# Altium PCB master.PcbDoc (part 5 of 10)
Units mm, origin at the board's own origin, x right, y up, seen from the top; angles counter-clockwise.
Board outline 160 x 120 mm, 6 copper layers (Top Signal, Top GND, Inner PWR, Inner Signal, Bottom GND, Bottom Signal), stack 1.601 mm thick; 526 components, 435 nets, 2167 pads, 1617 vias.
Unrouted connection lines stored in the file: 3.
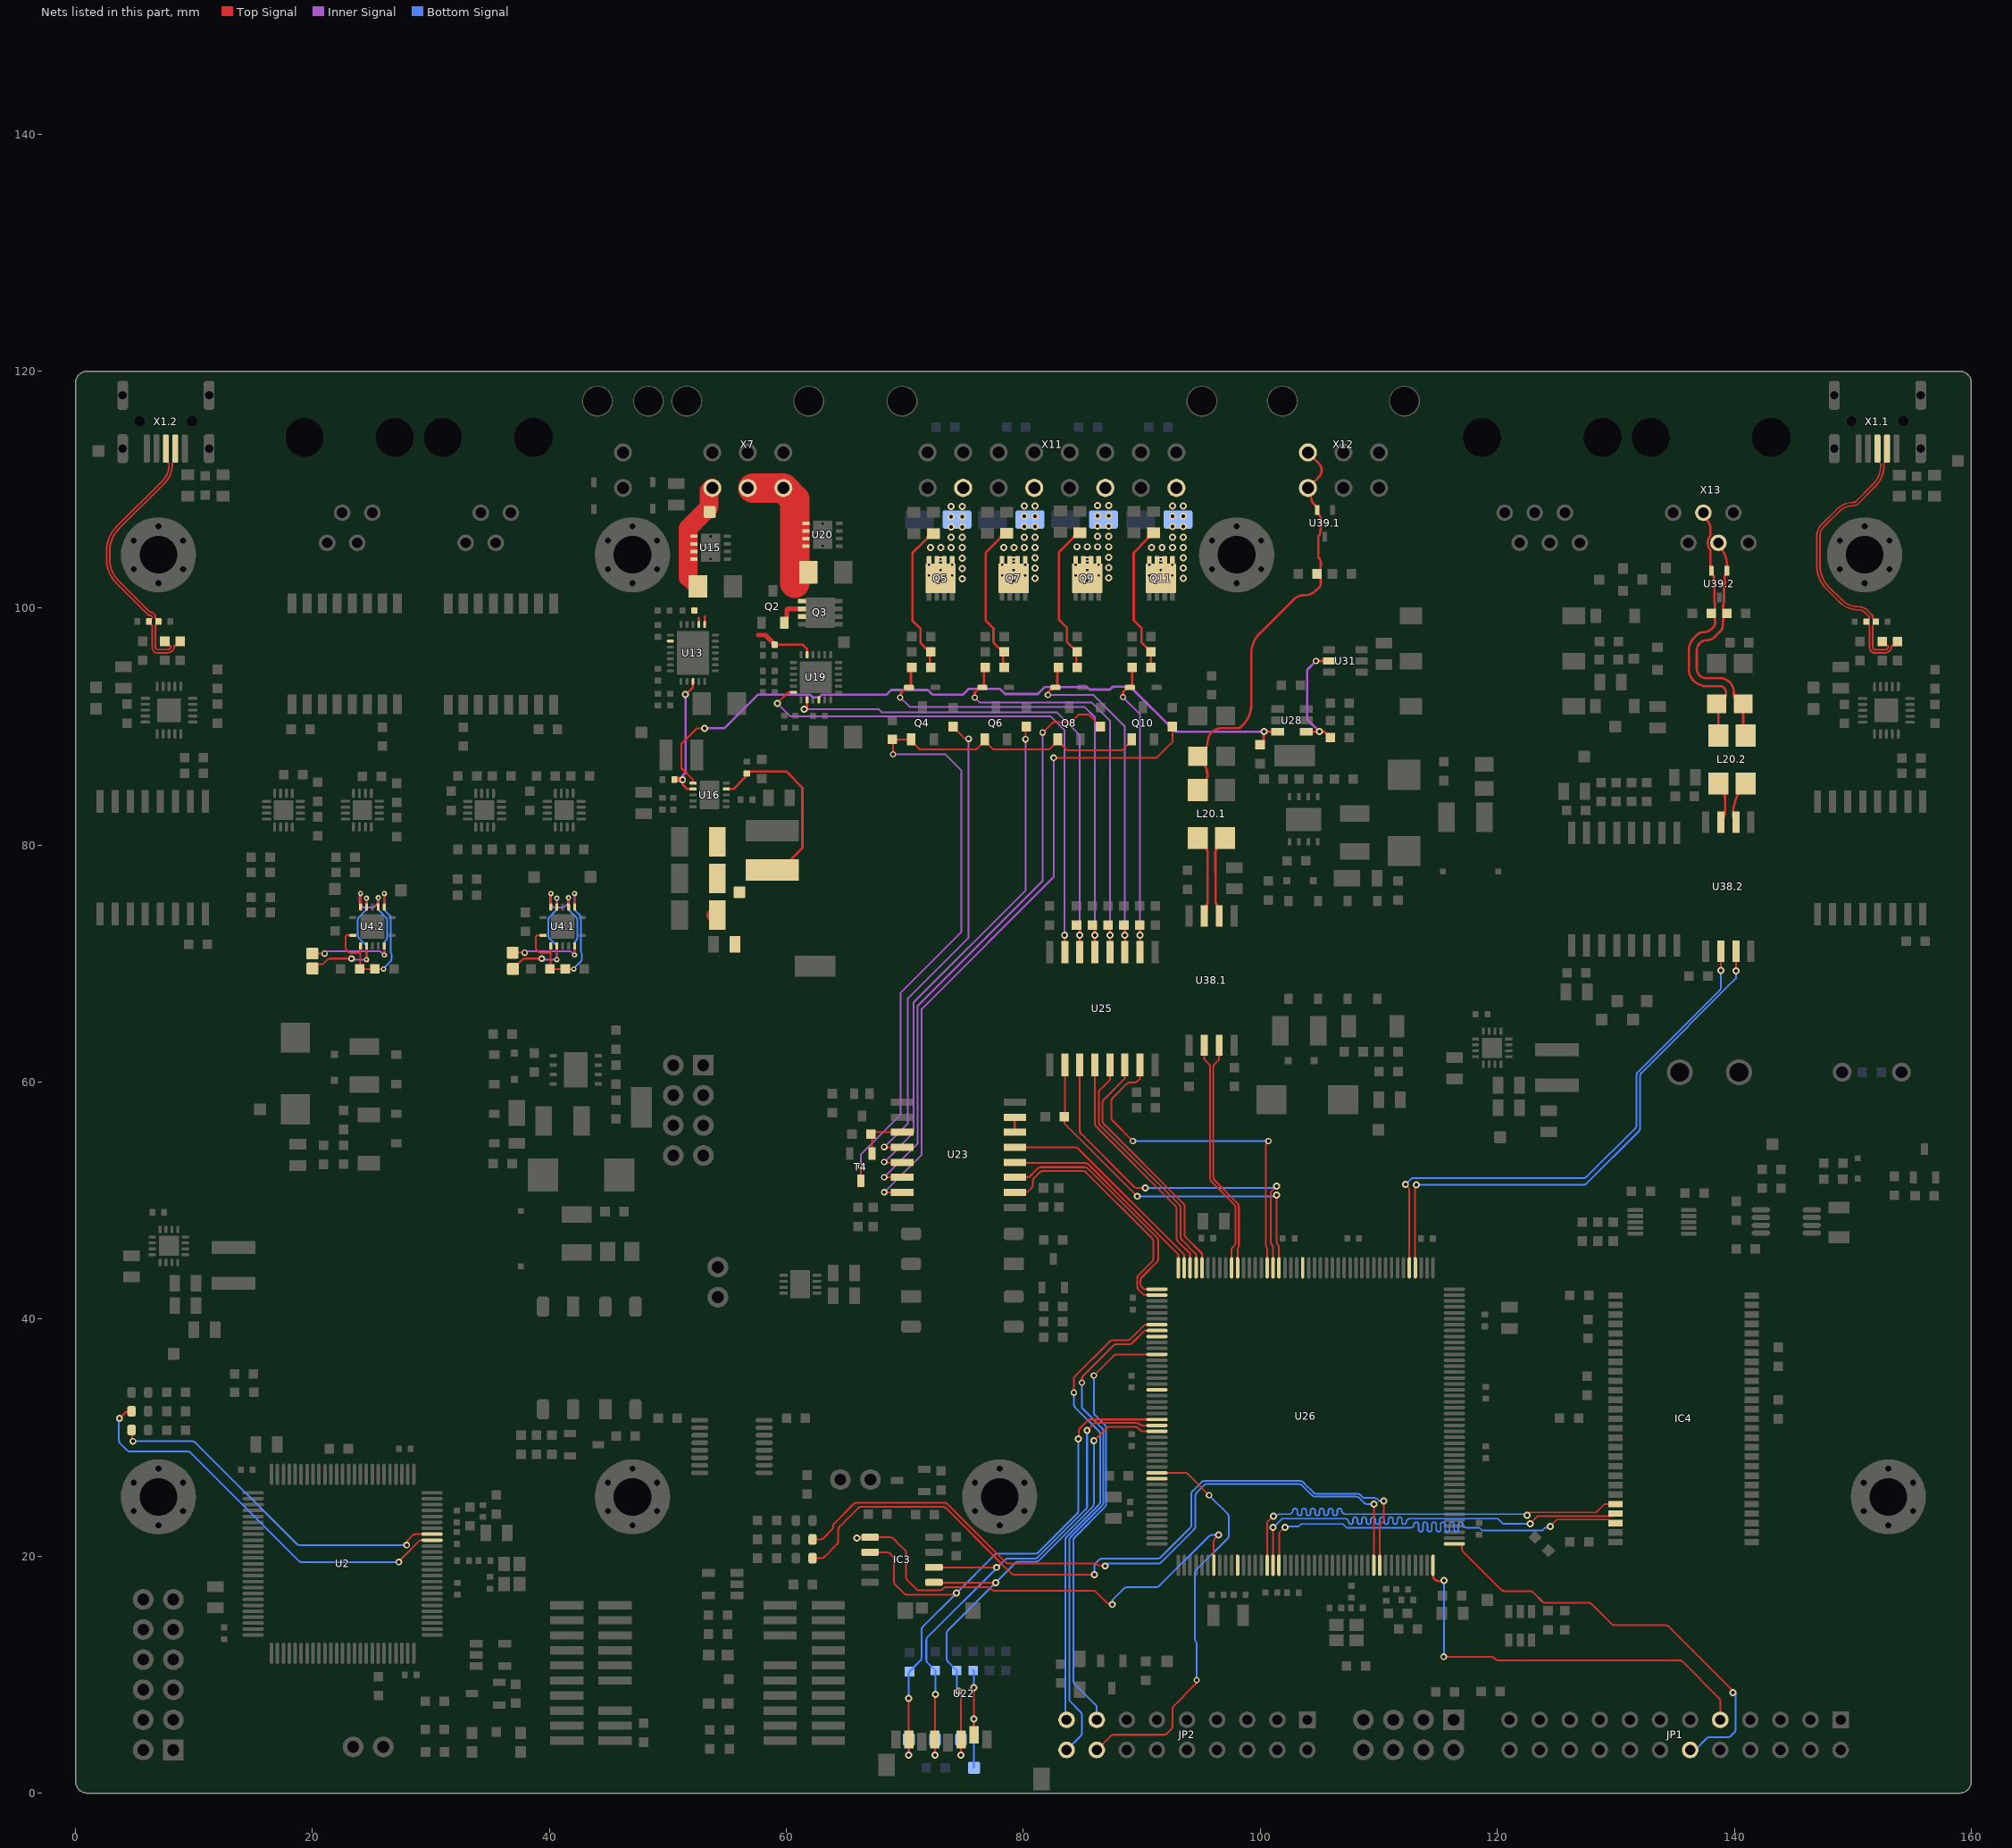
[diagram p9: the nets of this part, all layers, seen from the top]

## Via types
v1: diameter 0.6, hole 0.3, Top Signal to Bottom Signal, 1012 vias
v2: diameter 0.55, hole 0.3, Top Signal to Bottom Signal, 235 vias
v3: diameter 0.45, hole 0.2, Top Signal to Bottom Signal, 178 vias
v4: diameter 0.55, hole 0.3, Top Signal to Bottom Signal, tented both sides, 112 vias
v5: diameter 0.5, hole 0.2, Top Signal to Bottom Signal, 50 vias
v6: diameter 0.45, hole 0.2, Top Signal to Bottom Signal, tented top, 15 vias
v7: diameter 0.5, hole 0.3, Top Signal to Bottom Signal, tented both sides, 12 vias
v8: diameter 0.6, hole 0.3, Top Signal to Bottom Signal, tented both sides, 2 vias
v9: diameter 0.5, hole 0.3, Top Signal to Bottom Signal, 1 vias

## Nets (pads, with @x,y where several pads share a name; then routed paths per layer and width w, separated by ;. In a path a pad name is that pad's centre, name@x,y a point inside that pad or via, vN(x,y) a via of type N, cw(c..) or ccw(c..) an arc to the next point about the centre after c; other vN are vias at no path point) (continued)
CAN_0_P: C160.1.1 L20.1.3 R124.1.2 U39.1.2 X12.1 X12.4 | length 36.2
  Top Signal w0.2: L20.1.3@94.725,84.65 95.368,85.293 ccw(c95.109,85.552) 95.475,85.552 95.475,85.657 cw(c95.585,85.657) 95.507,85.736 ccw(c95.429,85.814) 95.54,85.814 ccw(c93.46,85.814) 94.93,87.285 R124.1.2@94.718,87.497 95.259,88.038 ccw(c94.538,88.759) 95.558,88.759 cw(c96.578,88.759) 95.857,89.481 95.902,89.526 cw(c96.727,88.7) 96.727,89.867 98.149,89.867 ccw(c98.149,90.123) 98.329,89.942 98.492,90.105 ccw(c96.696,91.901) 99.236,91.901 99.236,96.152 cw(c101.698,96.152) 99.957,97.893 102.749,100.685 cw(c103.727,99.707) 103.727,101.09 103.739,101.09 ccw(c103.739,102.444) 104.696,101.486 104.946,101.736 ccw(c104.593,102.09) 105.093,102.09 105.093,102.297 cw(c105.121,102.325) 105.081,102.325 ccw(c104.441,102.325) 104.894,102.777 C160.1.1@104.781,102.89 104.982,103.091 104.99,103.099 ccw(c104.846,103.238) 105.034,103.171 105.053,103.224 ccw(c104.581,103.39) 105.081,103.39 cw(c105.581,103.388) 105.083,103.426 105.091,103.539 ccw(c104.593,103.578) 105.093,103.578 105.093,103.869 ccw(c104.593,103.869) 105.014,104.139 104.996,104.167 ccw(c104.827,104.059) 104.961,104.208 cw(c105.115,104.375) 104.888,104.375 104.888,105.975 cw(c105.115,105.975) 104.934,106.112 104.992,106.188 ccw(c104.832,106.309) 105.032,106.309 105.032,106.435 cw(c105.259,106.435) 105.057,106.538 ccw(c104.609,106.761) 105.109,106.763 105.109,107.513 ccw(c104.572,107.513) 104.952,107.893 cw(c105.332,108.273) 104.795,108.273 U39.1.2@104.795,108.275 ccw(c104.252,108.275) 104.636,108.659 104.566,108.729 cw(c105.296,109.459) 104.264,109.459 104.264,109.528 ccw(c103.399,109.528) X12.4@104.01,110.14 104.938,111.068 ccw(c104.365,111.64) 105.175,111.64 ccw(c104.365,111.64) 104.938,112.212 X12.1@104.01,113.14
CAN_0_RX: U26.122 U38.1.3 | length 19.8
  Top Signal w0.152: U38.1.3@96.524,63.115 96.524,61.905 96.143,61.524 ccw(c96.412,61.255) 96.032,61.255 96.032,51.983 ccw(c96.412,51.983) 96.143,51.714 98.072,49.785 cw(c97.803,49.516) 98.183,49.516 98.183,46.26 cw(c97.803,46.258) 98.157,46.12 98.099,45.972 ccw(c98.453,45.833) 98.072,45.833 U26.122@98.072,44.334
CAN_0_TRANS_STANDBY_CONTROL: U26.141
CAN_0_TX: U26.123 U38.1.2 | length 19.9
  Top Signal w0.152: U38.1.2@95.254,63.115 95.254,61.94 95.648,61.546 cw(c95.381,61.274) 95.762,61.274 95.762,51.871 ccw(c96.143,51.871) 95.873,51.602 97.799,49.675 cw(c97.532,49.404) 97.913,49.404 97.913,46.471 cw(c97.532,46.471) 97.801,46.201 97.684,46.084 ccw(c97.954,45.815) 97.573,45.815 U26.123@97.573,44.334
CAN_1_N: C163.2.1 L20.2.2 R125.2.1 U39.2.1 X13.3 | length 20.8
  Top Signal w0.2: X13.3@138.659,105.512 ccw(c139.159,105.508) 138.77,105.194 ccw(c139.457,105.751) 138.787,105.173 cw(c136.954,103.591) 139.375,103.587 139.375,103.581 U39.2.1@139.375,103.15 139.375,103.148 cw(c138.838,103.148) 139.218,102.768 ccw(c139.669,102.552) 139.198,102.385 cw(c138.725,102.217) 139.155,101.957 ccw(c139.325,101.852) 139.125,101.852 139.125,100.525 cw(c138.875,100.525) 139.097,100.411 ccw(c139.542,100.182) 139.042,100.182 139.042,100.158 ccw(c139.079,100.158) 139.053,100.132 cw(c139.027,100.106) 139.063,100.106 139.063,99.986 ccw(c139.391,99.986) C163.2.1@139.159,99.754 ; C163.2.1@139.159,99.754 C163.2.1@139.363,99.55 139.245,99.431 ccw(c139.682,98.994) 139.063,98.994 cw(c139.027,98.994) 139.053,98.968 ccw(c139.079,98.942) 139.042,98.942 139.042,98.611 cw(c138.207,98.611) 138.797,98.02 138.342,97.565 cw(c137.717,98.19) 137.717,97.307 ccw(c137.717,96.423) 137.093,97.048 137.091,97.047 ccw(c137.719,96.419) 136.831,96.419 136.831,94.892 ccw(c137.635,94.892) 137.635,94.088 138.781,94.088 cw(c138.781,92.909) 139.961,92.909 139.961,92.714 ccw(c140.748,92.714) R125.2.1@140.748,91.927 140.748,89.452 ccw(c140.95,89.452) L20.2.2@140.95,89.25
CAN_1_P: C160.2.1 L20.2.3 R124.2.2 U39.2.2 X13.4 | length 23.4
  Top Signal w0.2: X13.4@137.389,108.052 ccw(c138.173,108.052) 137.618,107.498 137.688,107.427 cw(c136.965,106.704) 137.988,106.704 137.988,106.281 cw(c137.488,106.28) 137.906,106.005 ccw(c138.659,105.512) 137.906,105.018 cw(c137.488,104.744) 137.988,104.742 137.988,103.36 ccw(c138.285,103.36) U39.2.2@138.075,103.15 138.075,103.148 ccw(c138.612,103.148) 138.232,102.768 138.233,102.766 cw(c137.781,102.552) 138.253,102.386 ccw(c138.725,102.217) 138.295,101.957 cw(c138.125,101.852) 138.325,101.852 138.325,100.525 ccw(c138.575,100.525) 138.34,100.44 cw(c137.871,100.265) 138.371,100.265 138.371,100.256 cw(c137.871,100.256) 138.359,100.145 138.35,100.106 138.35,99.986 cw(c138.022,99.986) 138.254,99.754 C160.2.1@138.05,99.55 138.169,99.431 cw(c137.731,98.994) 138.35,98.994 ccw(c138.387,98.994) 138.361,98.968 cw(c138.335,98.942) 138.371,98.942 138.371,98.75 cw(c137.871,98.75) 138.225,98.396 138.065,98.236 cw(c137.44,98.861) 137.44,97.977 ccw(c137.44,97.094) 136.815,97.718 136.616,97.519 ccw(c137.715,96.421) 136.161,96.421 136.161,94.892 ccw(c137.635,94.892) 137.635,93.418 138.781,93.418 cw(c138.781,92.909) 139.291,92.909 139.291,92.714 cw(c138.503,92.714) R124.2.2@138.503,91.927 cw(c138.503,91.78) 138.65,91.78 L20.2.3@138.65,89.25
CAN_1_RX: U26.92 U38.2.3 | length 46.2
  Top Signal w0.152: U26.92@113.073,44.334 cw(c113.431,44.459) 113.051,44.459 113.051,51.087 cw(c113.431,51.087) 113.148,51.34 v1@113.151,51.344 ; v1(140.137,69.386) U38.2.3@140.137,71.033
  Bottom Signal w0.152: v1(113.152,51.345) 127.269,51.345 ccw(c127.269,51.725) 127.538,51.456 131.939,55.857 ccw(c131.67,56.126) 132.05,56.126 132.05,60.521 cw(c132.43,60.521) 132.161,60.79 140.137,68.765 v1@140.137,69.405
CAN_1_TRANS_STANDBY_CONTROL: U26.165
CAN_1_TX: U26.93 U38.2.2 | length 46.3
  Top Signal w0.152: v1(112.241,51.362) 112.461,51.142 cw(c112.192,50.873) 112.572,50.873 U26.93@112.572,44.334 ; v1(138.867,69.42) U38.2.2@138.867,71.033
  Bottom Signal w0.152: v1(112.241,51.362) 112.682,51.803 ; 112.682,51.803 cw(c112.95,51.534) 112.95,51.914 127.282,51.914 ccw(c127.282,52.294) 127.55,52.025 131.642,56.117 ccw(c131.373,56.386) 131.753,56.386 131.753,60.581 cw(c132.133,60.581) 131.865,60.849 138.755,67.74 ccw(c138.487,68.009) 138.867,68.009 v1(138.867,69.42)
CAN_INT_1_N: L20.1.1 U38.1.6 | length 7
  Top Signal w0.2: U38.1.6@96.524,74.015 cw(c97.007,74.498) 96.324,74.498 96.324,74.938 ccw(c96.154,74.938) 96.274,75.058 cw(c96.394,75.179) 96.224,75.179 96.224,77.636 cw(c96.258,77.67) 96.21,77.67 96.21,79.436 cw(c96.321,79.436) 96.243,79.514 ccw(c96.165,79.593) 96.275,79.593 cw(c96.896,79.593) 96.457,80.032 L20.1.1@97.025,80.6 L20.1.1@97.025,80.525
CAN_INT_1_P: L20.1.4 U38.1.7 | length 7.4
  Top Signal w0.2: L20.1.4@94.404,80.279 L20.1.4@94.725,80.6 95.293,80.032 cw(c94.853,79.593) 95.475,79.593 ccw(c95.585,79.593) 95.507,79.514 cw(c95.429,79.436) 95.54,79.436 95.54,77.392 ccw(c95.587,77.392) 95.554,77.358 95.554,75.179 cw(c95.383,75.179) 95.504,75.058 ccw(c95.624,74.938) 95.454,74.938 95.454,74.498 cw(c94.771,74.498) U38.1.7@95.254,74.015
CAN_INT_2_N: L20.2.1 U38.2.6 | length 3.6
  Top Signal w0.2: U38.2.6@140.137,81.933 cw(c140.741,82.538) 139.886,82.535 139.886,82.536 cw(c143.721,82.538) 140.899,85.134 ccw(c140.531,85.473) L20.2.1@140.95,85.2
CAN_INT_2_P: L20.2.4 U38.2.7 | length 3.5
  Top Signal w0.2: L20.2.4@138.65,85.2 cw(c137.28,83.83) 139.218,83.83 139.218,82.781 cw(c138.019,82.781) U38.2.7@138.867,81.933
COM_EXT_ISO_EN: R108.1 U28.4 U31.5 | length 10
  Top Signal w0.2: U28.4@103.859,89.58 v1(104.975,89.58) 105.386,89.58 R108.1@105.899,89.067 ; v2@104.715,95.538 U31.5@105.797,95.538
  Inner Signal w0.2: v2(104.7,95.538) 103.95,94.787 103.95,90.604 v1(104.975,89.58)
CONTACTOR_0_CONTROL: U23.5 U26.131 | length 19.3
  Top Signal w0.152: U23.5@79.117,54.505 84.339,54.505 cw(c84.339,54.124) 84.61,54.392 93.572,45.43 U26.131@93.572,44.334
CONTACTOR_0_FEEDBACK: U25.12 U26.130 | length 20.2
  Top Signal w0.152: U25.12@86.032,61.461 86.032,56.526 ccw(c86.413,56.526) 86.144,56.256 92.809,49.591 cw(c92.542,49.32) 92.923,49.32 92.923,46.832 ccw(c93.304,46.832) 93.034,46.562 94.063,45.533 94.063,44.618 ccw(c94.444,44.618) U26.130@94.072,44.534
CONTACTOR_0_FEEDBACK_EXT: C77.2 L7.2 R76.1 | length 12.7
  Top Signal w0.2: R76.1@72.101,94.974 72.101,96.274 71.301,97.074 71.301,98.278 70.635,98.944 70.635,104.654 71.855,105.874 71.855,105.974 72.205,106.324 L7.2@72.305,106.324
CONTACTOR_1_CONTROL: U23.4 U26.132 | length 18.1
  Top Signal w0.152: U23.4@79.275,53.182 85.2,53.182 cw(c85.2,52.801) 85.472,53.068 89.182,49.358 ccw(c89.451,49.627) 89.193,49.347 89.238,49.305 cw(c88.981,49.025) 89.24,49.304 cw(c88.982,49.023) 89.252,49.292 93.073,45.472 U26.132@93.073,44.334
CONTACTOR_1_FEEDBACK: U25.13 U26.129 | length 20.7
  Top Signal w0.152: U25.13@87.325,61.504 87.325,60.225 86.487,59.387 ccw(c86.756,59.117) 86.375,59.117 86.375,56.608 ccw(c86.756,56.608) 86.487,56.338 93.161,49.664 cw(c92.894,49.392) 93.275,49.392 93.275,46.941 ccw(c93.656,46.941) 93.387,46.671 94.573,45.485 U26.129@94.573,44.534
CONTACTOR_1_FEEDBACK_EXT: C79.2 L9.2 R81.1 | length 12.7
  Top Signal w0.2: R81.1@78.273,95 78.273,96.3 77.473,97.1 77.473,98.304 76.807,98.97 76.807,104.68 78.027,105.9 78.027,106 78.377,106.35 L9.2@78.477,106.35
CONTACTOR_2_CONTROL: U23.3 U26.133 | length 21
  Top Signal w0.152: U23.3@79.275,51.965 80.45,51.965 81.198,52.713 cw(c81.468,52.444) 81.468,52.825 85.172,52.825 cw(c85.172,52.444) 85.443,52.712 cw(c85.174,52.442) 85.445,52.71 91.262,46.893 cw(c90.994,46.622) 91.375,46.622 91.375,45.08 cw(c90.994,45.08) 91.263,44.81 89.988,43.535 ccw(c90.257,43.265) 89.876,43.265 89.876,42.983 ccw(c90.257,42.983) 89.988,42.713 90.167,42.534 U26.133@91.273,42.534
CONTACTOR_2_FEEDBACK: U25.14 U26.128 | length 21.3
  Top Signal w0.152: U25.14@88.572,61.461 88.572,60.322 86.787,58.537 ccw(c87.056,58.267) 86.675,58.267 86.675,56.733 ccw(c87.056,56.733) 86.787,56.463 93.486,49.764 cw(c93.219,49.492) 93.6,49.492 93.6,47.165 ccw(c93.981,47.165) 93.712,46.896 95.073,45.535 U26.128@95.073,44.334
CONTACTOR_2_FEEDBACK_EXT: C82.2 L11.2 R89.1 | length 12.7
  Top Signal w0.2: R89.1@84.468,95.049 84.468,96.349 83.668,97.149 83.668,98.352 83.002,99.019 83.002,104.729 84.222,105.949 84.222,106.049 84.572,106.399 L11.2@84.672,106.399
CONTACTOR_3_CONTROL: U23.2 U26.134 | length 21.6
  Top Signal w0.152: U23.2@79.275,50.695 U23.2@79.275,50.695 cw(c79.453,50.358) 79.454,50.739 80.364,50.739 80.693,51.068 ccw(c80.424,51.338) 80.805,51.338 80.805,51.647 cw(c81.186,51.647) 80.917,51.917 81.39,52.39 cw(c81.66,52.121) 81.66,52.502 85.016,52.502 cw(c85.016,52.121) 85.287,52.388 90.862,46.813 cw(c90.594,46.542) 90.975,46.542 90.975,45.133 cw(c90.594,45.133) 90.863,44.863 89.735,43.735 ccw(c90.005,43.466) 89.624,43.466 89.624,42.744 ccw(c90.005,42.744) 89.735,42.475 90.159,42.05 91.161,42.05 cw(c91.161,41.669) 91.248,42.04 U26.134@91.273,42.034 U26.134@91.273,42.034
CONTACTOR_3_FEEDBACK: U25.15 U26.117 | length 30.5
  Top Signal w0.152: v2(89.25,55.025) 87.537,56.738 cw(c87.806,57.008) 87.425,57.008 87.425,58.392 cw(c87.806,58.392) 87.537,58.662 88.738,59.863 cw(c89.008,59.594) 89.008,59.975 89.367,59.975 ccw(c89.367,60.356) 89.637,60.087 89.842,60.292 U25.15@89.842,61.461 ; U26.117@100.573,44.534 100.573,45.827 ccw(c100.192,45.827) 100.544,45.973 100.486,46.113 cw(c100.838,46.259) 100.457,46.259 100.457,54.649 cw(c100.838,54.649) 100.569,54.919 v2(100.679,55.029)
  Bottom Signal w0.152: v2@89.262,55.029 v2(100.679,55.029)
CONTACTOR_3_FEEDBACK_EXT: C86.2 L14.2 R97.2 | length 12.7
  Top Signal w0.2: R97.2@90.771,95 C86.2@90.771,96.3 89.971,97.1 89.971,98.304 89.305,98.97 89.305,104.68 90.525,105.9 90.525,106 90.875,106.35 L14.2@90.975,106.35
CONTACTOR_5_CONTROL: U26.111
CONTACTOR_5_FEEDBACK: U26.150
CONTACTOR_6_CONTROL: JP2.17 U26.139 | length 39.8
  Top Signal w0.152: v4(84.257,33.796) 84.257,34.92 cw(c84.638,34.92) 84.369,35.189 87.288,38.109 cw(c87.558,37.84) 87.558,38.221 88.767,38.221 ccw(c88.767,38.602) 89.037,38.332 90.238,39.534 U26.139@91.273,39.534
  Bottom Signal w0.152: JP2.17@83.65,6.19 cw(c83.936,6.442) 83.555,6.442 83.555,21.374 cw(c83.936,21.374) 83.667,21.644 86.37,24.347 ccw(c86.101,24.617) 86.482,24.617 86.482,30.285 ccw(c86.101,30.285) 86.368,30.557 84.369,32.556 cw(c84.638,32.826) 84.257,32.826 v4(84.257,33.796)
CONTACTOR_6_FEEDBACK: JP2.18 U26.140 | length 42.5
  Top Signal w0.152: v4(84.938,34.642) 84.938,34.958 cw(c85.319,34.958) 85.049,35.228 87.594,37.772 cw(c87.863,37.503) 87.863,37.884 88.928,37.884 ccw(c88.928,38.265) 89.198,37.995 90.236,39.034 U26.140@91.273,39.034
  Bottom Signal w0.152: JP2.18@83.65,3.65 84.822,4.822 ccw(c84.552,5.091) 84.933,5.091 84.933,6.594 ccw(c84.552,6.594) 84.82,6.866 83.984,7.702 cw(c84.253,7.971) 83.872,7.971 83.872,21.334 cw(c84.253,21.334) 83.984,21.604 86.623,24.243 ccw(c86.353,24.512) 86.734,24.512 86.734,30.551 ccw(c86.353,30.551) 86.621,30.822 85.049,32.394 cw(c85.319,32.663) 84.938,32.663 v4(84.938,34.642) ; v4(84.938,34.642) 84.938,34.717 84.938,34.791 84.863,34.717 v4(84.938,34.642)
CONTACTOR_7_CONTROL: JP2.15 U26.144 | length 37.2
  Top Signal w0.152: v4(85.937,35.239) 87.62,36.922 cw(c87.889,36.653) 87.889,37.034 U26.144@91.072,37.034
  Bottom Signal w0.152: v4(85.937,35.239) 85.937,32.171 ccw(c86.318,32.171) 86.048,31.902 86.873,31.077 cw(c86.606,30.805) 86.987,30.805 86.987,24.408 cw(c86.606,24.408) 86.875,24.138 84.341,21.604 ccw(c84.61,21.335) 84.229,21.335 84.229,9.467 ccw(c84.61,9.467) 84.341,9.198 86.19,7.348 JP2.15@86.19,6.19
CONTACTOR_7_FEEDBACK: JP2.16 U26.164 | length 34.4
  Top Signal w0.152: JP2.16@86.19,3.65 87.356,4.816 cw(c87.626,4.547) 87.626,4.928 91.855,4.928 ccw(c91.855,5.309) 92.124,5.039 92.461,5.376 ccw(c92.191,5.645) 92.572,5.645 92.572,7.081 cw(c92.953,7.081) 92.684,7.351 94.503,9.17 ccw(c94.234,9.44) 94.615,9.44 v4(94.615,9.55) ; U26.164@91.273,27.034 93.616,27.034 cw(c93.616,26.653) 93.887,26.92 v4(95.668,25.14)
  Bottom Signal w0.152: v4@94.615,9.754 94.615,12.584 ccw(c94.234,12.584) 94.567,12.769 94.515,12.863 cw(c94.848,13.047) 94.467,13.047 94.467,18.564 cw(c94.848,18.564) 94.579,18.834 97.238,21.492 ccw(c96.969,21.762) 97.35,21.762 97.35,23.3 ccw(c96.969,23.3) 97.236,23.572 v4(95.668,25.14)
CONTACTOR_8_CONTROL: JP1.9 U26.44 | length 35
  Top Signal w0.152: v4(115.472,11.516) 119.47,11.516 cw(c119.469,11.135) 119.738,11.405 cw(c119.472,11.132) 119.742,11.402 119.826,11.318 ccw(c120.095,11.587) 120.095,11.206 135.359,11.206 cw(c135.358,10.825) 135.629,11.093 138.699,8.023 cw(c138.431,7.753) 138.812,7.753 JP1.9@138.812,6.19
  Top Signal w0.2: U26.44@114.572,19.234 114.572,18.393 ccw(c115.072,18.393) 115.072,17.893 115.29,17.893 ccw(c115.29,18.393) 115.48,17.931 v1(115.496,17.938)
  Bottom Signal w0.152: v4(115.472,11.516) v4(115.472,11.516) ccw(c115.116,11.647) 115.496,11.649 v1(115.496,17.938)
CONTACTOR_8_FEEDBACK: JP1.12 U26.45 | length 36.9
  Top Signal w0.152: U26.45@116.372,21.034 116.976,21.034 117.022,20.988 117.022,20.504 117.084,20.409 ccw(c117.402,20.617) 117.134,20.349 120.313,17.169 ccw(c120.581,17.438) 120.581,17.058 122.755,17.058 cw(c122.754,16.678) 123.023,16.947 123.792,16.178 ccw(c124.06,16.448) 124.06,16.068 127.689,16.068 cw(c127.689,15.688) 127.957,15.957 129.639,14.275 ccw(c129.907,14.544) 129.907,14.164 134.206,14.164 cw(c134.206,13.784) 134.474,14.053 139.765,8.763 cw(c139.498,8.492) v1(139.878,8.495)
  Bottom Signal w0.15: JP1.12@136.272,3.65 136.695,3.65 137.66,4.615 cw(c137.925,4.349) 137.925,4.724 139.451,4.724 ccw(c139.451,5.099) 139.716,4.834 139.997,5.114 ccw(c139.731,5.379) 140.106,5.379 140.106,8.421 140.102,8.421 cw(c140.101,8.796) v1(139.878,8.495)
CONTACTOR_INTERLOCK_EXT_IO: R73.1 T4.1 U23.11 | length 4.4
  Top Signal w0.15: T4.1@67.225,53.986 67.225,55.5 R73.1@67.125,55.6 67.3,55.775 U23.11@69.775,55.775
CONTACTOR_INTERLOCK_ISO_IO: U23.6 U23.7 | length 1.3
  Top Signal w0.2: U23.6@79.275,55.775 U23.7@79.275,57.045
CONTACTOR_IO_EXT_0: R79.1 U23.12 | length 40.6
  Top Signal w0.15: v2@68.275,54.511 68.281,54.505 U23.12@69.775,54.505 ; R79.1@74.061,90 75.092,88.969 v2(75.375,88.969)
  Inner Signal w0.15: v2(68.25,54.525) 70.25,56.525 70.25,67.076 75.375,72.201 v2(75.375,88.969)
CONTACTOR_IO_EXT_1: R83.1 U23.13 | length 43.2
  Top Signal w0.15: v2@68.281,53.235 U23.13@69.775,53.235 ; v2(80.171,88.929) 80.171,89.923 R83.1@80.248,90
  Inner Signal w0.15: v2(68.25,53.255) 70.725,55.73 70.725,66.713 80.171,76.159 v2(80.171,88.929)
CONTACTOR_IO_EXT_2: R93.1 U23.14 | length 50.5
  Top Signal w0.15: v2@68.281,51.965 U23.14@69.775,51.965 ; v2(81.625,89.5) 82.49,90.365 84.019,90.365 84.682,91.028 85.47,91.028 R93.1@86.498,90
  Inner Signal w0.15: v2(68.25,51.985) 71.075,54.81 71.075,66.45 81.625,77 v2(81.625,89.5)
CONTACTOR_IO_EXT_3: R101.1 U23.15 | length 56
  Top Signal w0.15: v2@68.281,50.695 U23.15@69.775,50.695 ; v2@82.522,87.375 v2(82.552,87.375) 91.255,87.375 92.575,88.695 R101.1@92.575,90
  Inner Signal w0.15: v2(68.25,50.715) 71.425,53.89 71.425,66.175 82.552,77.302 v2(82.552,87.375)
CONTACTOR_NEG_0: D14.2 Q5.5 Q5.6 Q5.7 Q5.8 Q5.9 X11.10
  other v1: 74.823,102.477 74.823,103.351 74.823,104.224 72.158,105.097 73.032,105.097 73.905,105.097 74.823,105.097 73.905,105.971 74.823,105.971 73.905,106.844 74.823,106.844 73.905,107.718 74.823,107.718 73.905,108.591 74.823,108.591
  other v3: 73.011,102.31 72.036,102.763 73.986,102.763 73.011,103.215
  other v6: 72.036,103.668 73.986,103.668 73.011,104.12
CONTACTOR_NEG_1: D15.2 Q7.5 Q7.6 Q7.7 Q7.8 Q7.9 X11.12
  other v1: 80.995,102.503 80.995,103.377 80.995,104.25 78.33,105.123 79.204,105.123 80.077,105.123 80.995,105.123 80.077,105.997 80.995,105.997 80.077,106.87 80.995,106.87 80.077,107.744 80.995,107.744 80.077,108.617 80.995,108.617
  other v3: 79.173,102.31 78.198,102.763 80.148,102.763 79.173,103.215
  other v6: 78.198,103.668 80.148,103.668 79.173,104.12
CONTACTOR_NEG_2: D13.2 Q9.5 Q9.6 Q9.7 Q9.8 Q9.9 X11.14